# Altium PCB fNIRS_PCB.PcbDoc (part 2 of 3)
Units mil, origin at the board's own origin, x right, y up, seen from the top; angles counter-clockwise.
Board outline 4409.45 x 4409.45 mil, 4 copper layers (Top Layer, Mid Layer 1, Mid Layer 2, Bottom Layer), stack 61.811 mil thick; 194 components, 178 nets, 730 pads, 742 vias.
Unrouted connection lines stored in the file: 493.
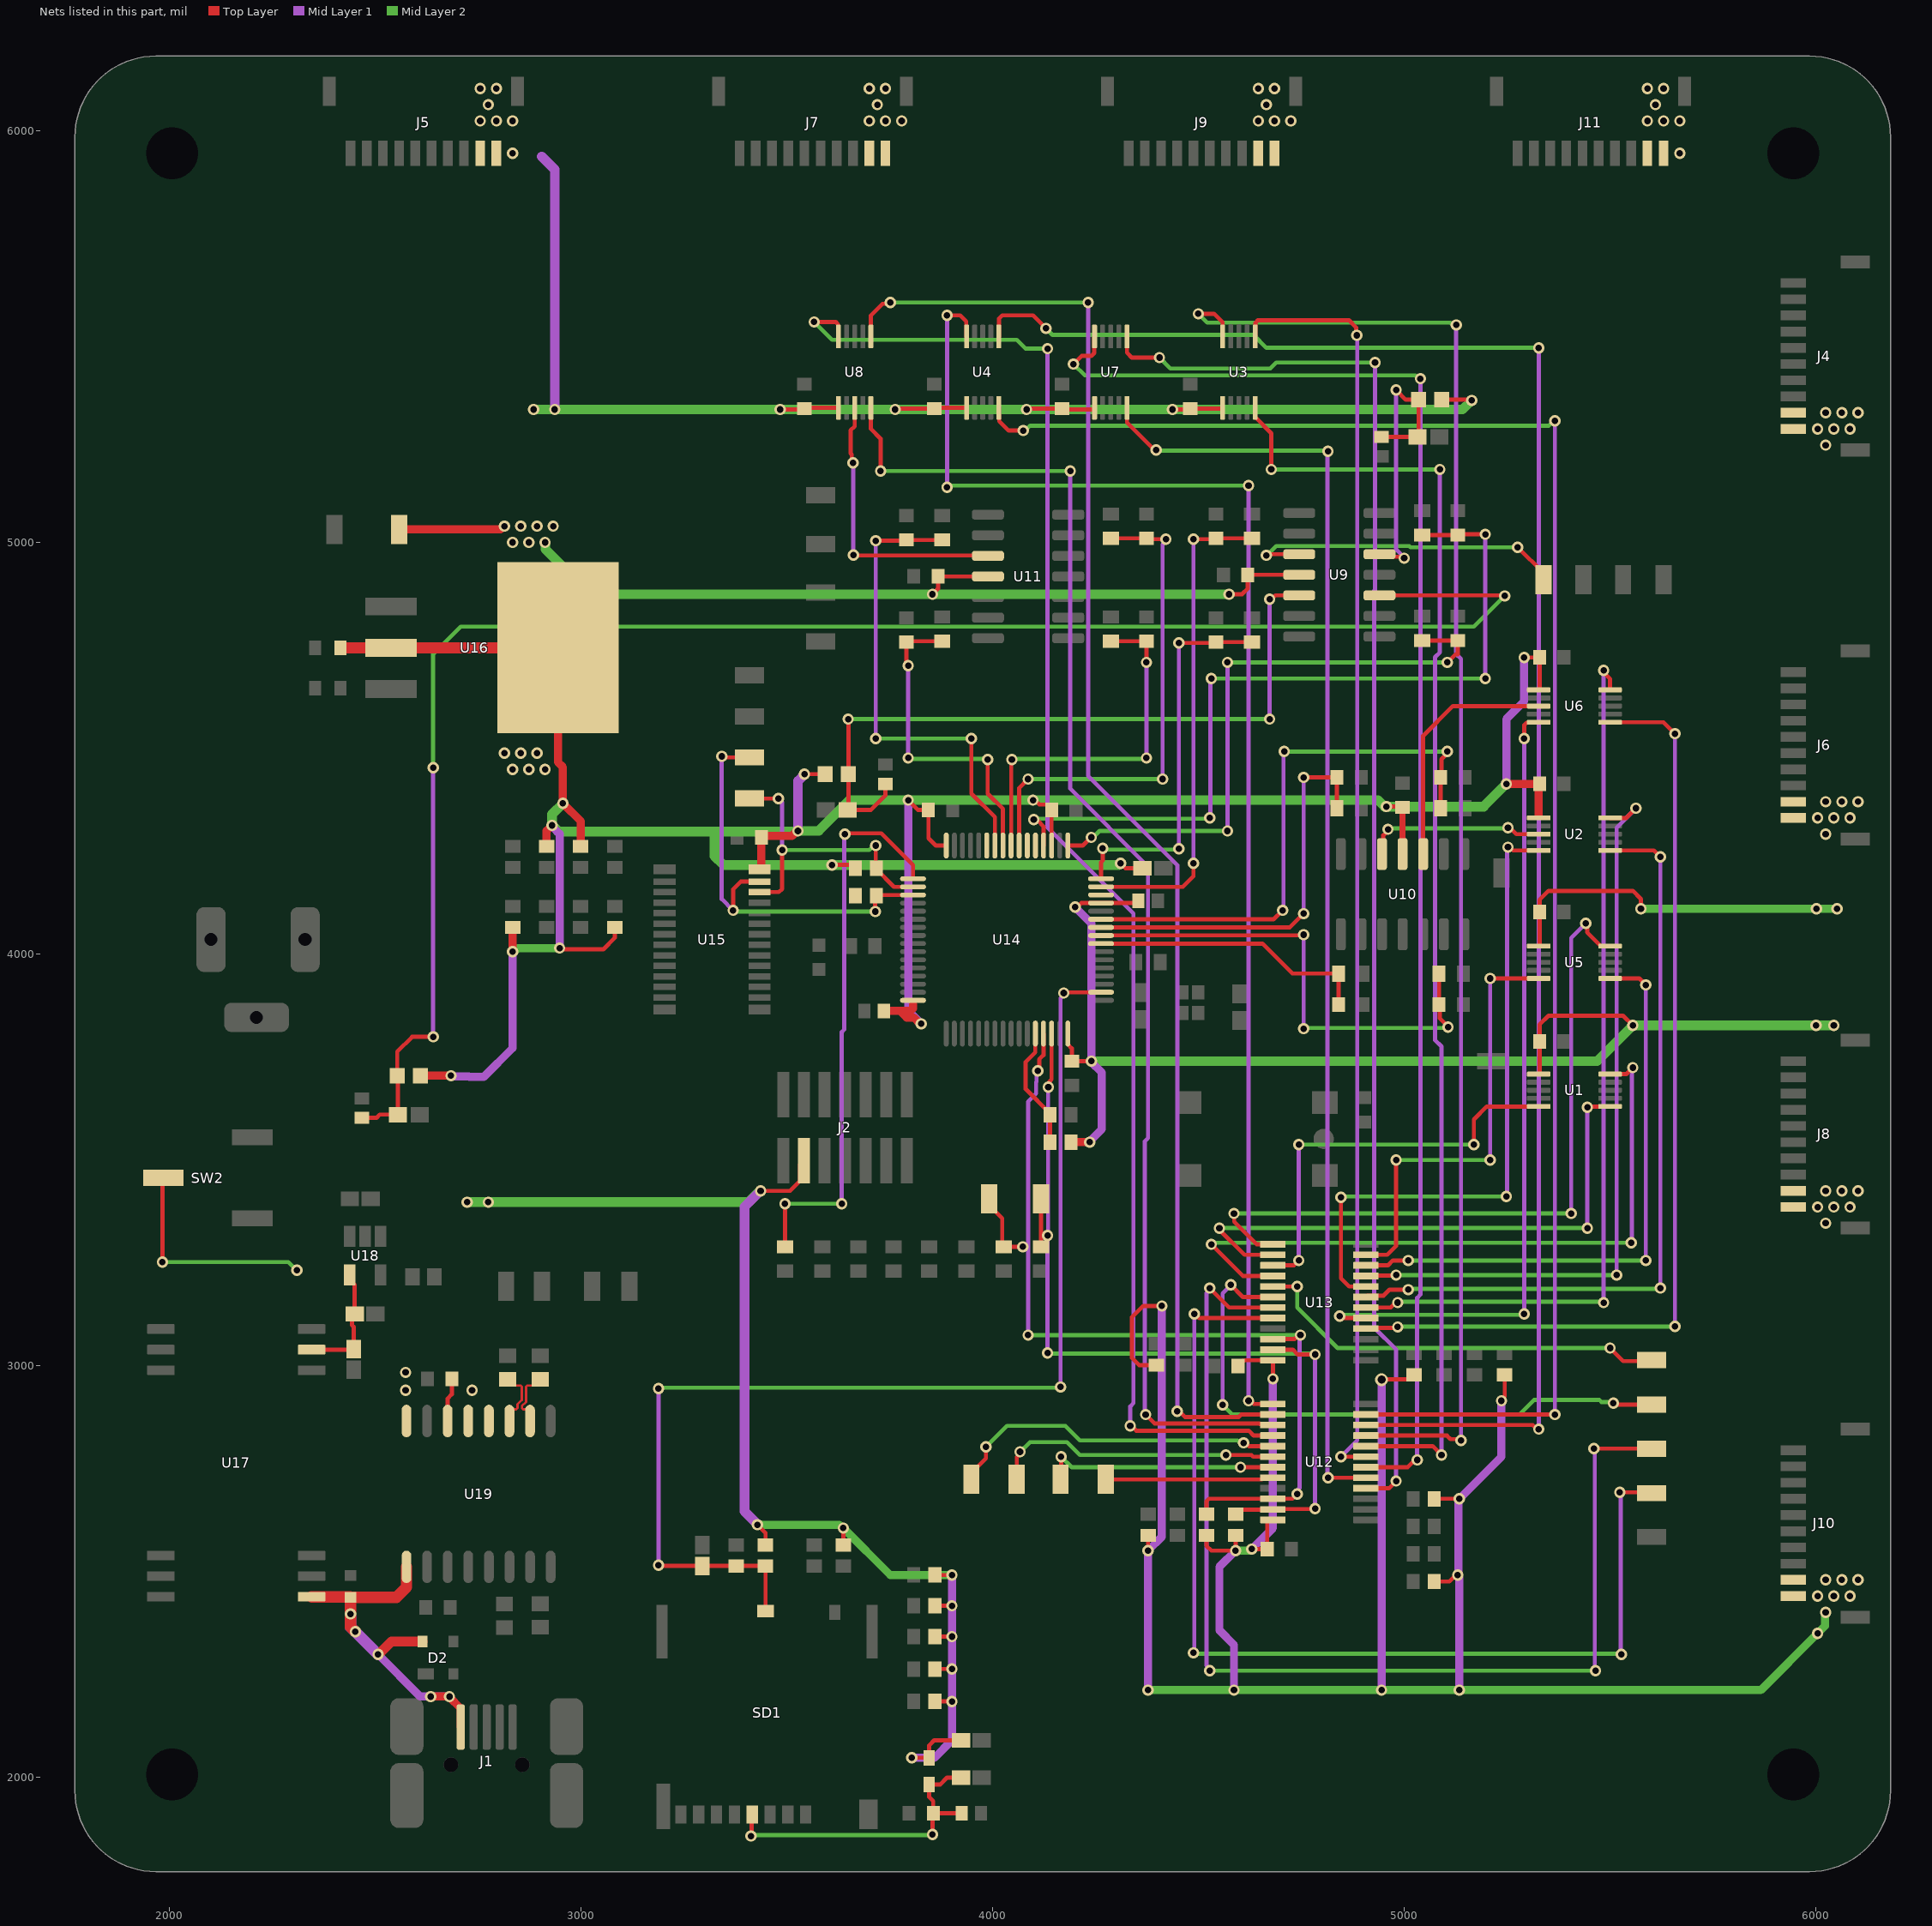
[diagram p4: the nets of this part, all layers, seen from the top]

## Part data
C1 C2 C3 C4 C5 C6 C7 C8 C9 C10 C11 C12 C13 C14 C15 C16 C17 C18 C19 C20 C21 C22 C23 C24 C25 C26 C28 C29 C30 C35 C44 C50 C51: library part CMP-2000-05002-2, "CAP CER 0.1UF 16V X7R 0603", Capacitance="100 nF", Manufacturer=YAGEO, Package=CC0603-DA, Temperature="-55°C to +125°C", Temperature Characteristic=X7R, Temperature Coefficient=15%, Temperature Range High=+125°C, Temperature Range Low=-55°C, Tolerance=0.1, Voltage="16 V", Automotive=No, Category=Cap, ComponentLink2Description=Datasheet, ComponentLink2URL=http://www.yageo.com/documents/recent/UPY-GPHC_X7R_6.3V-to-50V_18.pdf, Device Class L1="Passive Components", Device Class L2=Capacitors, Device Class L3="Ceramic Capacitors", Digikey Description="CAP CER 0.1UF 16V X7R 0603", Footprint Url=http://www.yageo.com/exep/pages/download/literatures/UPY-C_GEN_24.pdf, Height=0.9mm, Lead Free=Yes, Manufacturer Part Number=CC0603KRX7R7BB104, Material=Ceramic, Mouser Description="Multilayer Ceramic Capacitor, CC Series, 0.1 - F, - 10%, X7R, 16 V, 0603 [1608 Metric]", Octopart=https://octopart.com/cc0603krx7r7bb104-yageo-192941, RoHS=TRUE, Voltage Rating="16 V"
C27: library part CMP-2006-02256-2, "CAP CER 4.7UF 6.3V X5R 0603", Capacitance=4.7uF, Manufacturer=Kemet, Package=C0603-CG, Temperature="-55°C to +85°C", Temperature Characteristic=X5R, Temperature Coefficient=15%, Temperature Range High=+85°C, Temperature Range Low=-55°C, Tolerance=10%, Voltage Rating=6.3V, Automotive=No, Category=Cap, ComponentLink2Description=Datasheet, ComponentLink2URL=https://content.kemet.com/datasheets/KEM_C1006_X5R_SMD.pdf, Device Class L1="Passive Components", Device Class L2=Capacitors, Device Class L3="Ceramic Capacitors", Digikey Description="CAP CER 4.7UF 6.3V X5R 0603", Height=0.9mm, Ipc Land Pattern Name=CAPC16080X80, Lead Free=Yes, Manufacturer Part Number=C0603C475K9PACTU, Material=Ceramic, Mouser Description="Multilayer Ceramic Capacitors MLCC - SMD/SMT 6.3volts 4.7uF X5R 10%", Octopart=https://octopart.com/c0603c475k9pactu-kemet-104242, RoHS=TRUE
C31 C32: library part CMP-13271-003969-1, "Cap Ceramic 4pF 50V C0G ±0.25pF Pad SMD 0603 +125°C T/R", Capacitance=4pF, Case Code (Imperial)=0603, Case Code (Metric)=1608, Dielectric=C0G, Max Operating Temperature=125°C, Min Operating Temperature=-55°C, Package Quantity=1, Tolerance=-0.25%, Voltage Rating=50V, Case/Package=0603, Contact Plating=Tin, Depth=0.8mm, Height=0.8mm, Lead Free="Lead Free", Length=1.6mm, Mount="Surface Mount", Packaging="Tape and Reel", Radiation Hardening=No, Thickness=0.035inch, Voltage Rating (DC)=50V, Width=0.031inch
C33 C47 C48 C49: library part CMP-2006-03038-2, "CAP CER 10000PF 200V X7R 0603", Capacitance="10,000 pF", Manufacturer=KEMET, Package=C0603C-CF, Temperature="-55°C to +125°C", Temperature Characteristic=X7R, Temperature Coefficient=30ppm/°C, Temperature Range High=+125°C, Temperature Range Low=-55°C, Tolerance=0.1, Voltage Rating="200 V", Automotive=Yes, Automotive Grade="Grade 1", Category=Cap, ComponentLink2Description=Datasheet, ComponentLink2URL=https://api.kemet.com/component-edge/download/datasheet/C0603C100J5GACAUTO.pdf, Device Class L1="Passive Components", Device Class L2=Capacitors, Device Class L3="Ceramic Capacitors", Digikey Description="CAP CER 10000PF 200V X7R 0603", Height=0.87mm, Lead Free=Yes, Manufacturer Part Number=C0603C103K2RACTU, Material=Ceramic, Mouser Description="Multilayer Ceramic Capacitors MLCC - SMD/SMT 200volts 10000pF X7R 10%", Octopart=https://octopart.com/c0603c103k2ractu-kemet-1061947, RoHS=TRUE
C34 C37 C40 C41 C42 C43 C46: library part CMP-2000-06025-2, "Multilayer Ceramic Capacitors 1μF ±10% 50V X5R SMD 0603", Capacitance=1uF, Case Code (Imperial)=0603, Case Code (Metric)=1608, Dielectric=X5R, Dielectric Material=Ceramic, Max Operating Temperature=85°C, Min Operating Temperature=-55°C, Package Quantity=1, Tolerance=10%, Voltage=50V, Case/Package=0603, Construction=Flat, Depth=0.8mm, Height=0.8mm, Lead Free="Lead Free", Length=1.6mm, Mount="Surface Mount", Number of Pins=2, Packaging="Tape and Reel", Radiation Hardening=No, REACH SVHC="No SVHC", Resistor Type=Ceramic, RoHS Compliant=Yes, Series=C, Termination=SMD/SMT, Thickness=0.035inch, Voltage Rating=50V, Voltage Rating (DC)=50V, Weight=7.1E-05oz, Width=0.031inch
C36: library part CMP-2006-02820-2, "Chip Multilayer Ceramic Capacitors for General Purpose, 0603, 2.2uF, X5R, 15%, 10%, 25V", Capacitance=2.2uF, Case Code (Imperial)=0603, Case Code (Metric)=1608, Dielectric=X5R, Max Operating Temperature=85°C, Min Operating Temperature=-55°C, Package Quantity=4000, Resistor Type=Ceramic, Tolerance=10%, Voltage=25V, Case/Package=0603, Depth=0.8mm, Height=0.8mm, Lead Free="Lead Free", Length=1.6mm, Material=Ceramic, Mount="Surface Mount", Number of Pins=2, Packaging="Tape and Reel", Radiation Hardening=No, REACH SVHC="No SVHC", Termination=SMD/SMT, Thickness=0.035inch, Voltage Rating=25V, Voltage Rating (DC)=25V, Weight=0.000222oz, Width=0.8mm
C38 C39: library part CMP-2006-02520-2, "Chip Multilayer Ceramic Capacitors for General Purpose, 0603, 10uF, X5R, 15%, 20%, 25V", Capacitance=10uF, Case Code (Imperial)=0603, Case Code (Metric)=1608, Dielectric=X5R, Max Operating Temperature=85°C, Min Operating Temperature=-55°C, Package Quantity=1, Resistor Type=Ceramic, Tolerance=20%, Voltage=25V, Case/Package=0603, Depth=0.8mm, Height=0.8mm, Lead Free="Lead Free", Length=1.6mm, Mount="Surface Mount", Number of Pins=2, Packaging="Tape and Reel", REACH SVHC="No SVHC", Termination=SMD/SMT, Thickness=0.031inch, Voltage Rating=25V, Voltage Rating (DC)=25V, Weight=0.000222oz, Width=0.031inch
C45: library part CMP-2006-03408-2, "CAP CER 100PF 50V C0G/NP0 0603", Capacitance="100 pF", Manufacturer=KEMET, Package=C0603C-CF, Temperature="-55°C to +125°C", Temperature Characteristic=C0G, Temperature Coefficient=30ppm/°C, Temperature Range High=+125°C, Temperature Range Low=-55°C, Tolerance=0.05, Voltage Rating="50 V", Automotive=Yes, Automotive Grade="Grade 1", Category=Cap, ComponentLink2Description=Datasheet, ComponentLink2URL=https://api.kemet.com/component-edge/download/datasheet/C0603C100J5GACAUTO.pdf, Device Class L1="Passive Components", Device Class L2=Capacitors, Device Class L3="Ceramic Capacitors", Digikey Description="CAP CER 100PF 50V C0G/NP0 0603", Height=0.87mm, Lead Free=Yes, Manufacturer Part Number=C0603C101J5GACTU, Material=Ceramic, Mouser Description="Multilayer Ceramic Capacitor, C Series, 100 Pf, - 5%, C0g / Np0, 50 V, 0603 [1608 Metric] Rohs Compliant: Yes", Octopart=https://octopart.com/c0603c101j5gactu-kemet-100052, RoHS=TRUE
D1: library part CMP-22017-000005-2, "LED GREEN CLEAR CHIP SMD", Case Code (Imperial)=0603, Case Code (Metric)=1608, Color=Green, Forward Current=30mA, Forward Voltage=2.1V, Lens Color=Colorless, Max Operating Temperature=85°C, Min Operating Temperature=-55°C, Package Quantity=1, Power Dissipation=100mW, Reverse Voltage=5V, Test Current=10mA, Voltage=2V, Case/Package=0603, Depth=0.8mm, Dominant Wavelength=569nm, Height=0.8mm, Illumination Color=Green, Lead Free="Lead Free", Length=1.6mm, Lens Style=Clear, Lens Transparency=Clear, Luminous Intensity=6mcd, Mount="Surface Mount", Number of Elements=1, Number of LEDs=1, Number of Pins=2, Packaging="Tape and Reel", Power Rating=100mW, Radiation Hardening=No, Viewing Angle=130°, Wavelength=565nm, Width=0.8mm
D2: library part CMP-14436-000007-1, "TVS DIODE 5.5V SOT143B"
FB1: library part CMP-0220-00181-3, Case Code (Imperial)=0603, Case Code (Metric)=1608, Current Rating=1A, DC Resistance (DCR)=200mΩ, Inductance=360mH, Max Operating Temperature=125°C, Min Operating Temperature=-55°C, Test Frequency=100MHz, Tolerance=25%, Case/Package=0603, Core Material=Ferrite, Depth=800µm, Height=800µm, Impedance=600Ω, Lead Free="Lead Free", Length=1.6mm, Material=Ferrite, Max Current Rating=1A, Max DC Current=1A, Mount="Surface Mount", NexarPartId=7864500, Number of Lines=1, Packaging="Cut Tape (CT)", REACH SVHC=Unknown, Resistance=200mΩ, RMS Current (Irms)=1A, RoHS=Compliant, Series Resistance=200mΩ, Termination=SMD/SMT, Weight=3.997283mg, Width=800µm
Fi1 Fi2 Fi3: library part CMP-ROOT-0065-2, "Fiducial for pick-and-place", Mount=TH, RoHS=Yes
J1: library part CMP-0411-00002-1, "USB, MINI, SMD, RA KME04-USBMU03A01", Manufacturer=Molex, ComponentLink1Description="Manufacturer URL", ComponentLink1URL=http://www.molex.com/, ComponentLink2Description=Datasheet, ComponentLink2URL=http://www.molex.com/pdm_docs/sd/675031020_sd.pdf, DatasheetVersion="Rev F, 06/2009", Mounting Technology="Surface Mount", PackageDescription="Mini USB Connector, SMT, Righer Angle", PackageReference=67503-1020, PartNumber=67503-1020, Terminal Pitch="0.8 mm"
J2: library part CMP-02766-001412-1, "CONN HEADER SMD 14POS 1.27MM", Housing Color=Black, Max Operating Temperature=125°C, Min Operating Temperature=-55°C, Contact Material=Bronze, Contact Plating=Gold, Depth=5.84mm, Gender=Male, Housing Material=Polymer, Lead Free="Lead Free", Length=8.89mm, Number of Contacts=14, Number of Rows=2, Orientation=Straight, Packaging=Rail/Tube, Pitch=1.27mm, Radiation Hardening=No, RoHS Compliant=Yes, Termination=Solder
J3: library part CMP-1502-00188-2, Color=Black, Current Rating=5A, Flammability Rating="UL94 V-0", Insulation Resistance=100MΩ, Max Operating Temperature=85°C, Min Operating Temperature=-40°C, Operating Supply Voltage=24V, Voltage Rating (DC)=20V, Connector Type=Power, Contact Gender=Female, Contact Material="Gold, Tin", Contact Plating=Tin, Gender=Male, Height=11mm, Housing Material=Polyamide, Mount="Through Hole", NexarPartId=52676100, Number of Contacts=3, Packaging=Bulk, REACH SVHC=Unknown, RoHS=Compliant, Shielding=Unshielded, Termination="Through Hole", Voltage Rating=24V
J4 J5 J6 J7 J8 J9 J10 J11: Package=None, Availability=Unavailable, MF=Samtec, MP=T1M-10-F-SH-L-K, Price=None
MH1 MH2 MH3 MH4: library part CMP-004-0008-2
R1 R2 R3 R4 R5 R6 R7 R8 R9 R10 R11 R12 R34: library part CMP-2000-05023-1, "Chip Resistor, 1 KOhm, +/- 5%, 0.063 W, -55 to 155 degC, 0603 (1608 Metric), RoHS, Tape and Reel", Manufacturer=Yageo, Package Description="2-Pin Surface Mount Device, Body 1.6 x 0.8 mm", Package Reference=603, Power Rating=100mW, Resistance=1kohm, Resistance Tolerance=±5%, Resistor Case Style=0603[1608Metric], Resistor Element Type=ThickFilm, Temperature Coefficient=±100ppm/degC, Voltage Rating=50V, Automotive Qualification Standard=-, Datasheet URL=https://datasheet.ciiva.com/2452/pyu-rc0603-51-rohs-l-4-2452848.pdf, Datasheet Version="Rev. 4, 04/2009", Manufacturer URL=http://www.yageo.com/, MSL=MSL1-Unlimited, Packaging=CutTape, Product Range=RCSeries, SVHC=ToBeAdvised
R15 R16 R17 R18 R19 R20 R21 R22 R23 R24 R25 R26 R27 R28 R29 R30 R31 R32 R35 R36 R37 R38 R39 R40 R41 R42 R44 R45 R46 R47 R48 R49 R50 R51 R52: library part CMP-1666-00005-4, "Chip Resistor, 10 KOhm, +/- 1%, 100 mW, -55 to 155 degC, 0603 (1608 Metric), RoHS, Tape and Reel", Manufacturer="Vishay Semiconductor", Max Operating Temperature="155 degC", Min Operating Temperature="-55 degC", Package Quantity=5000, Resistance=10kR, Voltage Rating="75 V", ComponentLink1Description="Manufacturer URL", ComponentLink1URL=http://www.vishay.com/, ComponentLink2Description=Datasheet, ComponentLink2URL=https://datasheet.ciiva.com/11809/0900766b80d98afc-11809037.pdf, DatasheetVersion=06/2012, Height="0.45 mm", Length="1.55 mm", Mounting Technology="Surface Mount", PackageDescription="2-Pin Surface Mount Device, Body 1.575 x 0.85 mm", PackageReference=0603, Packaging="Tape and Reel", REACH SVHC=Unknown, RoHSCompliant=true
R33 R63 R64 R65 R66 R67 R68 R69 R70: library part CMP-2100-03667-1, "Chip Resistor, 0 Ohm, +/- 5%, 0.1 W, -55 to 155 degC, 0603 (1608 Metric), RoHS, Tape and Reel", Case Code (Imperial)=0603, Case Code (Metric)=1608, Manufacturer=Yageo, Max Operating Temperature=155degC, Min Operating Temperature=-55degC, Package Description="2-Pin Surface Mount Device, Body 1.6 x 0.8 mm", Package Quantity=5000, Power Rating=100mW, Resistance=0mOhm, Temperature Coefficient=200ppm/degreesC, Tolerance=5%, Voltage Rating=50V, Case/Package=0603, Composition=ThickFilm, Contact Plating=Tin, Datasheet URL=http://www.yageo.com/NewPortal/yageodocoutput?fileName=/pdf/R-Chip/PYu-RC_Group_51_RoHS_L_5.pdf, Datasheet Version="Rev. 5, 10/2016", Depth=0.8mm, Height=0.45mm, Lead Free=LeadFree, Length=1.6mm, Manufacturer URL=http://www.yageo.com/, Military Standard=Not, Number of Pins=2, Package Reference=0603, Packaging=TapeandReel, Radiation Hardening=No, REACH SVHC=NoSVHC, RoHSCompliant=true, Termination=SMD/SMT, Voltage Rating (DC)=50V, Width=0.8mm
R43: library part CMP-2000-03159-1, Manufacturer="Vishay Dale", Resistance=2kR, Part Number=CRCW06032K00FKEA
R53 R54 R57: library part CMP-2000-03836-2, "RES Thick Film, 10kΩ, 1%, 0.1W, 100ppm/°C, 0603", Case Code (Imperial)=0603, Case Code (Metric)=1608, Max Operating Temperature=155°C, Max Power Dissipation=100mW, Min Operating Temperature=-55°C, Package Quantity=10000, Resistance=10kR, Temperature Coefficient=100ppm/°C, Tolerance=1%, Voltage Rating=75V, Case/Package=0603, Composition="Thick Film", Contact Plating=Tin, Depth=0.85mm, Features="Automotive AEC-Q200", Height=0.02inch, Lead Free="Lead Free", Length=1.55mm, Military Standard=Not, Number of Pins=2, Number of Terminations=2, Packaging="Tape and Reel", Power Rating=100mW, Radiation Hardening=No, Voltage Rating (DC)=75V, Weight=7.1E-05oz, Width=0.033inch
R55 R56 R58: library part CMP-06022-000547-2, "THERMISTOR NTC", Case Code (Imperial)=0603, Case Code (Metric)=1608, Max Operating Temperature=150°C, Min Operating Temperature=-40°C, Case/Package=0603, REACH SVHC="No SVHC", RoHS Compliant=Yes
R59 R60 R61 R62: library part CMP-1012-00325-2, Manufacturer=Panasonic, Resistance=24R, Part Number=ERJ-3EKF24R0V
SD1: library part CMP-2000-05621-1, "Micro SD Connector, Pitch 1.1 mm, 8 Position, Height 1.4 mm, -25 to 85 degC, RoHS, Tape and Reel", Current Rating=500mA, Manufacturer=Molex, Package Description="Micro SD Connector, Pitch 1.1 mm, 8 Position, Height 1.4 mm", Voltage Rating=10VAC/DC, Brand=Molex, Datasheet URL=http://www.molex.com/pdm_docs/sd/5033981892_sd.pdf, Datasheet Version="Rev. E, 04/2006", Factory Pack Quantity=2400, Manufacturer URL=http://www.molex.com/, Mounting Technology=SurfaceMount, Package Reference=503398-1892, Packaging=Reel, Product Category=MemoryCardConnectors, RoHS=Details, Series=503398
SW1: library part CMP-03402-000015-1, "SWITCH TACTILE SPST-NO 0.05A 24V", Actuator Color=Black, Contact Current Rating=50mA, Contact Resistance=100mR, Max Operating Temperature=85°C, Max Voltage Rating (DC)=12V, Min Operating Temperature=-35°C, Operating Force=1.57N, Package Quantity=2000, Actuator Length=0.01inch, Actuator Material=Polyphthalamide, Actuator Type=Standard, Contact Material="Copper Alloy", Contact Plating=Silver, Current Rating=50mA, Depth=8mm, Electrical Life=100000Cycles, ELV=Compliant, Illumination Type=Non-Illuminated, Lead Free="Lead Free", Length=6.19mm, Max Current Rating=50mA, Mechanical Life=100000Cycles, Mount="Surface Mount", Orientation=Straight, Packaging="Loose Piece", REACH SVHC="No SVHC", RoHS Compliant=Yes, Series=FSM1LP, Switch Function=Off-Mom, Switch Travel=0.25mm, Termination="Gull Wing", Throw Configuration=SPST, Type=Switch, Voltage Rating (DC)=12V
SW2: library part CMP-10038-000023-1, "SWITCH SLIDE SPDT 300MA 6V", Actuator Color=Black, Case/Package=SMD/SMT, Contact Resistance=70mR, Current Rating=300mA, Max Operating Temperature=85°C, Max Voltage Rating (DC)=30V, Min Operating Temperature=-40°C, Package Quantity=4000, Voltage Rating (DC)=6V, Actuator Length=2mm, Actuator Material=Nylon, Actuator Type=Standard, Contact Material="Copper Alloy", Contact Plating=Silver, Depth=7.5mm, Electrical Life=5000Cycles, Housing Material=Nylon, Length=8.5mm, Max Current Rating=300mA, Mount="Surface Mount", Orientation=Straight, Packaging="Tape and Reel", Radiation Hardening=No, RoHS Compliant=Yes, Series=JS, Switch Function=On-On, Switch Travel=2mm, Termination="Gull Wing", Throw Configuration=SPDT
TP1 TP2 TP3 TP4 TP5 TP6 TP7 TP8 TP9 TP10 TP11 TP12 TP13 TP14 TP15 TP16 TP18 TP20 TP21 TP22 TP23 TP24 TP25 TP26 TP27 TP28 TP29 TP30 TP31 TP32 TP33: library part CMP-15817-000011-1, "PC TEST POINT NATURAL", Color=Natural, Body Material=Brass, Material="Copper Alloy", Mount="Surface Mount", Packaging="Tape and Reel", Plating=Tin, RoHS Compliant=Yes
U1 U2 U3 U4 U5 U6 U7 U8: library part CMP-04892-000031-2, "IC SWITCH SINGLE 10VSSOP", RoHS Compliant=Yes
U9 U10 U11: "LMV324A, Quad Low-Voltage Rail-to-Rail Output Operational Amplifier 14-SOIC -40 to 125", Package="SOIC-14 Texas Instruments", Availability=Warning, MF="Texas Instruments", Mouser-Purchase-URL=https://snapeda.com/shop?store=Mouser&id=3658521, MP=LMV324AIDR, Price=None, SnapEDA_Link=https://www.snapeda.com/parts/LMV324AIDR/Texas%20Instruments/view-part/3658521/?ref=snap, Texas_Instruments-Purchase-URL=https://snapeda.com/shop?store=Texas+Instruments&id=3658521
U12 U13: library part PCA9555APW,118, "Parallel I/O Port, 16-Bit, 16 I/O, CMOS, PDSO24", Manufacturer="NXP Semiconductors", Max Operating Temperature=85°C, Max Supply Voltage=5.5V, Min Operating Temperature=-40°C, Min Supply Voltage=1.65V, Package Body Material=Plastic, Package Code=TSSOP, Package Equivalence Code=TSSOP24,.25, Package Shape=Rectangular, Package Style="SMALL OUTLINE, THIN PROFILE, SHRINK PITCHMeter", Power Supplies=1.8/5V, Supply Voltage-Nom=1.8V, Temperature Grade=INDUSTRIAL, Category="Interface ICs", ComponentLink1Description=https://datasheet.ciiva.com:443/pdfs/VipMasterIC/IC/PHGL/PHGL-S-A0001284358/PHGL-S-A0001284358-1.pdf?src-supplier=IHS+Markit, ComponentLink1URL=https://datasheet.ciiva.com:443/pdfs/VipMasterIC/IC/PHGL/PHGL-S-A0001284358/PHGL-S-A0001284358-1.pdf?src-supplier=IHS+Markit, ComponentLink2Description=https://datasheet.ciiva.com/6633/pca9555a-6633195.pdf?src-supplier=Digi-Key, ComponentLink2URL=https://datasheet.ciiva.com/6633/pca9555a-6633195.pdf?src-supplier=Digi-Key, Height - Seated (Max)=1.1mm, JESD-30 Code=R-PDSO-G24, Length=7.8mm, Manufacturer Part Number=PCA9555APW,118, Moisture Sensitivity Level=1, Number of Bits=16, Number of I/O Lines=16, Number of Pins=24, Number of Ports=2, Pricing 1="1=2.30000, 10=2.06600, 25=1.94920, 100=1.66060, 250=1.55924, 500=1.36434, 1000=1.23255 (USD)", Qualification Status="Not Qualified", REACH SVHC=Yes, RoHS=Yes, RoHS Compliant=Yes, Stock 1=2619, Supplier 1=Digi-Key, Supplier Part Number 1=568-9919-1-ND, Surface Mount=Yes, Technology=CMOS, Terminal Form="Gull Wing", Terminal Pitch=0.65mm, Terminal Position=DUAL, Width=4.4mm
U14: library part CMP-1655-00011-2, "Ultra-Low-Power ARM Cortex-M4 32-bit MCU+FPU, 512 KB Flash, 128 KB Internal RAM, 51 I/Os, 64-Pin LQFP, -40 to 85 degC, Tray", I/Os (High Current)=51, Manufacturer=STMicroelectronics, Operating Frequency(F) (Processor speed) (MHz)=80, Package Description="64-Pin Low-profile Quad Flat Package, Body 10 x 10 mm, Pitch 0.5 mm", Package Reference=LQFP64, Supply Voltage(Vcc) min (V)=1.71, ComponentLink1Description="Manufacturer URL", ComponentLink1URL=http://www.st.com/, ComponentLink2Description=Datasheet, ComponentLink2URL=http://www.st.com/st-web-ui/static/active/en/resource/technical/document/datasheet/DM00108832.pdf, Core="ARM Cortex-M4", D/A Converter=2, DatasheetVersion="Rev. 4", FLASH Size (Prog) (kB)=512, Internal RAM Size (kB)=128, Mounting Technology="Surface Mount", Packing=Tray, PartNumber=STM32L476RET6
U15: library part CMP-1595-00004-2, "16-Channel, 12-Bit PWM Fm+ I2C-Bus LED Controller, 2.3 to 5.5 V, -40 to 85 degC, 28-Pin TSSOP (SOT361-1), RoHS, Tape and Reel", Frequency="25000000 Hz", PartNumber=PCA9685, Supply Current Max="10 mA", Supply Voltage Max="5.5 V", Supply Voltage Min="2.3 V", Temperature Max="85 degC", Temperature Min="-40 degC", Code_JEDEC=MO-153, ComponentLink1Description="Manufacturer URL", ComponentLink1URL=http://www.nxp.com/, ComponentLink2Description=Datasheet, ComponentLink2URL=http://www.nxp.com/documents/data_sheet/PCA9685.pdf, ComponentLink3Description="Package Specification", ComponentLink3URL=http://www.nxp.com/documents/outline_drawing/sot361-1_po.pdf, DatasheetVersion="Rev. 4", Mounting Technology="Surface Mount", PackageDescription="28-Pin Small Outline Package, Body 9.7 x 4.4 mm, Pitch 0.65 mm", PackageVersion=02/2003, Packing="Tape and Reel", RoHS=TRUE
U16: library part CMP-0062-00579-5, "3A Low Dropout Positive Regulators, 3-pin TO-263, Pb-Free", Manufacturer="Texas Instruments", PackageTopMarking=NSUZXYTTE#*LM1085*IS-3.3, PowerWise=N, Code_JEDEC=MO-169-AA, ComponentLink1Description="Datasheet URL", ComponentLink1URL=http://www.ti.com/general/docs/lit/getliterature.tsp?genericPartNumber=LM1085&fileType=pdf, CompType="LDO IC", High-Reliability=Y, PackageDescription="TO-263, Molded, .400 x .390 x .180in, 3 Lead, .1in Pitch, Surface Mount", PackageReference=KTT0003B, PartNumber=LM1085ISX-3.3/NOPB, PinCount=3, RoHS=Y
U17: library part CMP-0387-00170-2, "Miniature, 2 W Isolated Unregulated DC-DC Converter, -40 to 85 degC, 12-pin SOP (DVB12), Pb-Free (RoHS)", Manufacturer="Texas Instruments", Code_JEDEC=MS-013-AE, ComponentLink1Description="Manufacturer URL", ComponentLink1URL=http://www.ti.com/, ComponentLink2Description=Datasheet, ComponentLink2URL=http://www.ti.com/general/docs/lit/getliterature.tsp?genericPartNumber=DCP020505&fileType=pdf, ComponentLink3Description="Package Specification", ComponentLink3URL=http://www.ti.com/lit/ml/mpds106a/mpds106a.pdf, ComponentLink4Description="URL Link1", ComponentLink4URL="Samples URL:http://www.ti.com/product/dcp020505#samples", DatasheetVersion=SBVS011K, Eco-Plan="Pb-Free (RoHS)", Iout(Max)(A)=0.4, Mounting Technology="Surface Mount", PackageDescription="12-Pin Plastic Small Outline, Body 17.9 x 7.5 mm", PackageReference=DVB0012A, PackageVersion=4202104/B, PartNumber=DCP020505U/1K, Regulated Outputs(#)=1, SubFamily="1 W & 2 W Miniature", Vin(Max)(V)=5.5, Vin(Min)(V)=4.5, Vout(Max)(V)=5.25, Vout(Min)(V)=4.75
U18: library part CMP-0133-00141-1, "Simple, Miniature Single-Cell, Fully Integrated Li-Ion/Li-Polymer Charge Management Controller, 4.2V, 5-Pin SOT-23, Industrial Temperature, Tape and Reel", Code_IPC=SOT23-5, DatasheetVersion="revB, Sep-2007", PackageDescription="5-Lead Plastic Small Outline Transistor (OT) [SOT-23]", PackageReference=SOT-23-OT5, PackageVersion="revBB, Aug-2009"
U19: library part CMP-0534-00648-1, "Full/Low Speed USB Digital Isolator, 2 Channels, 5 kV rms, 3.1 to 5.5 V, -40 to 105 degC, 16-Pin SOIC (RW-16), RoHS, Reel", Manufacturer="Analog Devices", Temperature Range="-40 to 105 degC", Voltage Isolation="5 kVrms", CIN="10 pF Typ.", ComponentLink1Description="Manufacturer URL", ComponentLink1URL=http://www.analog.com/en/index.html, ComponentLink2Description=Datasheet, ComponentLink2URL=http://www.analog.com/static/imported-files/data_sheets/ADuM4160.pdf, ComponentLink3Description="Package Specification", ComponentLink3URL=http://www.analog.com/static/imported-files/packages/PKG_PDF/SOIC_WIDE%20(RW)/RW_16.pdf, Data Rate="12 Mbps Max.", DatasheetVersion="Rev. D", IDD@12 Mbps="8 mA Max.", Mounting Technology="Surface Mount", Number of Channels=2, PackageDescription="16-Pin Small Outline Integrated Circuit, Body 10.3 x 7.5 mm, Pitch 1.27 mm", PackageVersion=Mar-07, Packing=Reel, PartNumber=ADUM4160BRWZ-RL, RoHS=TRUE, VBUS="3.1 to 5.5 V"
Y1: library part CMP-27762-000556-1, "Crystal 24MHz ±10ppm 7pF SMD-4 2mm x 1.6mm", Frequency=24MHz, RoHS Compliant=Yes

## Via types
v1: diameter 27.56, hole 15.75, Top Layer to Bottom Layer, tented both sides, 741 vias
v2: diameter 31.5, hole 19.68, Top Layer to Bottom Layer, tented both sides, 1 vias

## Nets (pads, with @x,y where several pads share a name; then routed paths per layer and width w, separated by ;. In a path a pad name is that pad's centre, name@x,y a point inside that pad or via, vN(x,y) a via of type N, cw(c..) or ccw(c..) an arc to the next point about the centre after c; other vN are vias at no path point)
3V3: C1.1 C2.1 C3.1 C4.1 C5.1 C6.1 C7.1 C8.1 C9.2 C14.2 C19.2 C24.1 C25.1 C27.1 C28.1 C29.1 C30.1 C33.1 C34.1 C35.1 C39.1 C42.1 C51.1 FB1.1 J2.3 J4.01 J4.02 J5.01 J5.02 J6.01 J6.02 J7.01 J7.02 J8.01 J8.02 J9.01 J9.02 J10.01 J10.02 J11.01 J11.02 R15.2 R16.2 R17.2 R21.2 R22.2 R23.2 R27.2 R28.2 R29.2 R30.2 R31.2 R35.2 R36.2 R37.2 R38.2 R44.2 R45.2 R46.2 R47.2 R48.2 R49.2 R50.2 R53.2 R54.2 R57.2 TP9.1 U1.6 U2.6 U3.6 U4.6 U5.6 U6.6 U7.6 U8.6 U9.4 U10.4 U11.4 U12.24 U13.24 U14.13 U14.19 U14.32 U14.48 U14.64 U15.28 U16.2 U16.4 U19.12 U19.13 U19.14 U19.16 | length 27303.4
  Top Layer w10: U19.14@2676.97,2866.14 2676.97,2921.06 2687.01,2931.1 C51.1@2687.01,2968.5 ; v1(2948.82,4014.76) 2951.77,4011.81 3055.12,4011.81 3082.68,4039.37 R35.2@3082.68,4064.96 ; v1(3429.13,2614.17) 3448.82,2594.49 R50.2@3448.82,2564.96 ; v1(3437.01,3425.2) 3508.66,3425.2 3532.17,3448.7 3532.17,3489.06 J2.3@3541.73,3498.62 ; v1(3484.25,5322.83) 3541.34,5322.83 C6.1@3543.31,5324.8 3545.28,5326.77 U8.6@3625.98,5326.77 ; v1(3543.31,4437.01) R54.2@3593.88,4437.01 ; v1(3610.24,4216.61) 3659.37,4216.61 R30.2@3667.32,4208.66 ; R49.2@3637.8,2564.96 v1(3637.8,2606.3) ; v1(3763.78,5322.83) 3765.75,5324.8 C4.1@3858.27,5324.8 3860.24,5326.77 U4.6@3937.01,5326.77 ; v1(3795.28,4374.02) 3818.9,4350.39 C30.1@3844.49,4350.39 3844.49,4281.5 3862.2,4263.78 U14.32@3887.8,4263.78 ; v1(3804.13,2048.23) FB1.1@3846.46,2048.23 3846.46,2078.74 3858.27,2090.55 C42.1@3923.6,2090.55 ; v1(3854.33,4874.02) 3868.11,4887.8 C9.2@3868.11,4917.32 U11.4@3989.17,4917.32 ; R44.2@3860.24,2185.04 v1(3901.57,2185.04) ; R45.2@3860.24,2263.78 v1(3901.57,2263.78) ; R46.2@3860.24,2342.52 v1(3901.57,2342.52) ; R47.2@3860.24,2417.32 v1(3901.57,2417.32) ; R48.2@3860.24,2492.13 v1(3901.57,2492.13) ; v1(4082.68,5322.83) 4084.65,5324.8 C5.1@4169.29,5324.8 4171.26,5322.83 4247.13,5322.83 4247.13,5325.87 U7.6@4248.03,5326.77 ; v1(4098.43,4374.02) 4103.18,4374.02 4114.08,4363.11 4132.95,4363.11 4143.7,4352.36 C29.1@4143.7,4350.39 U14.19@4143.7,4263.78 ; U14.64@4183.07,3807.09 4183.07,3781.01 4192.91,3771.16 C28.1@4192.91,3740.16 v1(4240.16,3740.16) ; v1(4200.79,4114.17) 4205.54,4114.17 4215.38,4124.02 U14.13@4263.78,4124.02 4348.43,4124.02 C33.1@4354.33,4129.92 ; v1(4311.02,4220.47) 4322.83,4208.66 C34.1@4364.55,4208.66 ; v1(4377.95,2551.34) R17.2@4377.95,2588.58 ; R23.2@4397.64,3001.97 4356.3,3001.97 4338.58,3019.68 4338.58,3118.11 4366.14,3145.67 v1(4411.5,3145.67) ; v1(4437.01,5322.83) 4478.35,5322.83 C3.1@4480.31,5324.8 4558.15,5324.8 4559.05,5325.71 U3.6@4559.05,5326.77 ; R28.2@4519.69,2588.58 4519.69,2562.99 4531.5,2551.18 4590.39,2551.18 v1(4590.55,2551.34) R27.2@4590.55,2588.58 ; v1(4574.8,4874.02) 4606.3,4874.02 4620.08,4887.8 C14.2@4620.08,4921.26 U9.4@4745.08,4921.26 ; C25.1@4596.46,3000 4596.46,3001.97 4607.2,3012.72 4612,3012.72 4613.06,3013.78 U13.24@4681.1,3013.78 v1(4681.1,2968.5) ; v1(4629.92,2555.12) C24.1@4667.32,2555.12 4667.32,2622.91 4670.39,2625.98 U12.24@4681.1,2625.98 ; v2(4944.88,2966.54) 4945.94,2967.6 5012.87,2967.6 R22.2@5023.62,2978.35 ; v1(4956.69,4358.27) 4994.09,4358.27 C19.2@4996.06,4356.3 ; R16.2@5072.83,2476.38 5109.42,2476.38 5125.17,2492.13 v1(5129.92,2492.13) ; R15.2@5072.83,2677.17 v1(5133.86,2677.17) ; R57.2@5091.16,5346.46 v1@5169.29,5346.46 ; v1(5236.22,2915.28) 5236.22,2917.32 5244.09,2925.2 R21.2@5244.09,2978.35 ; v1(5291.34,4720.47) C7.1@5328.74,4720.47 5328.74,4642.64 5327.83,4641.73 U6.6@5326.77,4641.73 ; U1.6@5326.77,3708.66 5327.83,3708.66 5328.74,3709.57 C1.1@5328.74,3787.4 5328.74,3828.74 5350.39,3850.39 5531.5,3850.39 v1(5555.12,3826.77) ; U5.6@5326.77,4019.69 5327.83,4019.69 5328.74,4020.59 C8.1@5328.74,4102.36 5328.74,4131.89 5350.39,4153.54 5555.12,4153.54 5574.8,4133.86 v1(5574.8,4110.24)
  Top Layer w15: U10.4@4996.06,4243.11 C19.2@4996.06,4356.3
  Top Layer w19.68: TP9.1@2559.06,5031.5 2804.95,5031.5 2812.83,5039.37 v1(2814.96,5039.37) ; R53.2@2610.84,3704.72 v1(2685.04,3704.72) ; v1(2834.65,4005.98) R36.2@2834.65,4064.96 ; R37.2@2917.32,4261.81 2917.32,4299.71 v1(2930.35,4312.73) ; U16.4@2944.88,4744.09 2944.88,4466.04 2956.69,4454.23 v1(2956.69,4366.14) 3000,4322.83 R38.2@3000,4261.81 ; U15.28@3434.06,4205.71 3438.98,4210.63 C35.1@3438.98,4283.46 3442.99,4287.48 3513.7,4287.48 3525.43,4299.21 v1(3527.56,4299.21) ; C27.1@3736.22,3862.2 3779.53,3862.2 ; 3807.09,3877.95 3807.09,3868.06 3801.23,3862.2 3779.53,3862.2 ; v1(3826.77,3830.71) 3824.64,3830.71 3809.21,3846.13 3791.66,3846.13 3779.53,3858.27 3779.53,3862.2 ; R31.2@4190.94,3543.31 v1(4236.22,3543.31)
  Top Layer w20: v1(5248.03,4413.39) C2.1@5328.74,4413.39 5326.77,4411.42 5326.77,4338.58
  Top Layer w27.56: C39.1@2416.34,4744.09 U16.2@2539.37,4744.09 U16.4@2944.88,4744.09
  Mid Layer 1 w19.68: v1(2685.04,3704.72) 2686.55,3703.22 2728.05,3703.22 2728.97,3702.29 2765.29,3702.29 2834.65,3771.65 v1(2834.65,4005.98) ; v1(2930.35,4312.73) 2930.35,4310.6 2948.82,4292.13 v1(2948.82,4014.76) ; v1(3795.28,4374.02) 3795.28,3863.47 3826.77,3831.98 v1(3826.77,3830.71) ; v1(3804.13,2048.23) 3859.25,2048.23 3901.57,2090.55 v1(3901.57,2185.04) v1(3901.57,2263.78) v1(3901.57,2417.32) v1(3901.57,2492.13) ; v1(4200.79,4114.17) 4240.16,4074.8 v1(4240.16,3740.16) 4240.16,3738.03 4265.72,3712.46 4265.72,3574.94 4236.22,3545.44 v1(4236.22,3543.31) ; v1(4377.95,2212.6) v1(4377.95,2551.34) 4411.5,2584.88 v1(4411.5,3145.67) ; v1(4586.61,2212.6) 4586.61,2322.43 4551.18,2357.86 4551.18,2511.97 v1(4590.55,2551.34) ; v1(4629.92,2555.12) 4681.1,2606.3 v1(4681.1,2968.5) ; v1(4944.88,2212.6) v2(4944.88,2966.54) ; v1(5133.86,2212.6) 5133.86,2486.06 5129.92,2490 v1(5129.92,2492.13) 5131.89,2494.09 5131.89,2675.2 v1(5133.86,2677.17) 5236.22,2779.53 v1(5236.22,2915.28) ; v1(5248.03,4413.39) 5248.03,4570.87 5291.34,4614.17 v1(5291.34,4720.47)
  Mid Layer 1 w23.62: 2905.51,5937.01 2937.01,5905.51 v1(2937.01,5322.83) ; v1(3429.13,2614.17) 3429.13,2615.5 3397.64,2647 3397.64,3385.83 v1(3437.01,3425.2) ; v1(3527.56,4299.21) 3527.56,4420.19 3543.31,4435.94 v1(3543.31,4437.01)
  Mid Layer 2 w19.68: v1(2834.65,4005.98) 2839.4,4005.98 2848.18,4014.76 v1(2948.82,4014.76) ; v1(3429.13,2614.17) 3627.79,2614.17 3635.66,2606.3 v1(3637.8,2606.3) 3751.97,2492.13 v1(3901.57,2492.13) ; v1(4377.95,2212.6) 5866.14,2212.6 v1(6003.94,2350.39) 6022.12,2368.58 6022.12,2400.07 v1(6023.63,2401.58) ; v1(4590.55,2551.34) 4624.01,2551.34 4627.79,2555.12 v1(4629.92,2555.12) ; v1(5574.8,4110.24) v1(6001.17,4110.24) v1(6051.18,4110.24)
  Mid Layer 2 w23.62: v1(2724.41,3397.64) v1(2775.59,3397.64) 3407.32,3397.64 3434.88,3425.2 v1(3437.01,3425.2) ; v1(2885.83,5322.83) v1(2937.01,5322.83) v1(3484.25,5322.83) v1(3763.78,5322.83) v1(4082.68,5322.83) v1(4437.01,5322.83) 5141.68,5322.83 v1(5163.75,5344.91) ; v1(2913.39,5000) 2914.14,4999.25 2914.14,4983.5 3023.62,4874.02 v1(3854.33,4874.02) v1(4574.8,4874.02) ; 2945.19,4298.95 2931.41,4312.73 v1(2930.35,4312.73) 2930.35,4339.8 v1(2956.69,4366.14) ; 2946.86,4297.28 3522.84,4297.28 3524.02,4298.46 3526.81,4298.46 v1(3527.56,4299.21) 3577.85,4299.21 3652.65,4374.02 v1(3795.28,4374.02) v1(4098.43,4374.02) 4936.19,4374.02 4951.94,4358.27 v1(4956.69,4358.27) 5192.91,4358.27 v1(5248.03,4413.39) ; 3324.76,4294.92 3324.76,4238.23 3346.38,4216.61 v1(3610.24,4216.61) 4306.1,4216.61 4309.96,4220.47 v1(4311.02,4220.47) ; v1(4240.16,3740.16) 5468.5,3740.16 v1(5555.12,3826.77) v1(6000,3826.77) v1(6043.31,3826.77)